# Altium PCB 磁開關電路_20240913.PcbDoc
Units mil, origin at the board's own origin, x right, y up, seen from the top; angles counter-clockwise.
Board outline 905.51 x 1338.58 mil, 4 copper layers (Top Layer, Layer 1, Layer 2, Bottom Layer), stack 23.756 mil thick; 9 components, 11 nets, 30 pads, 3 vias.
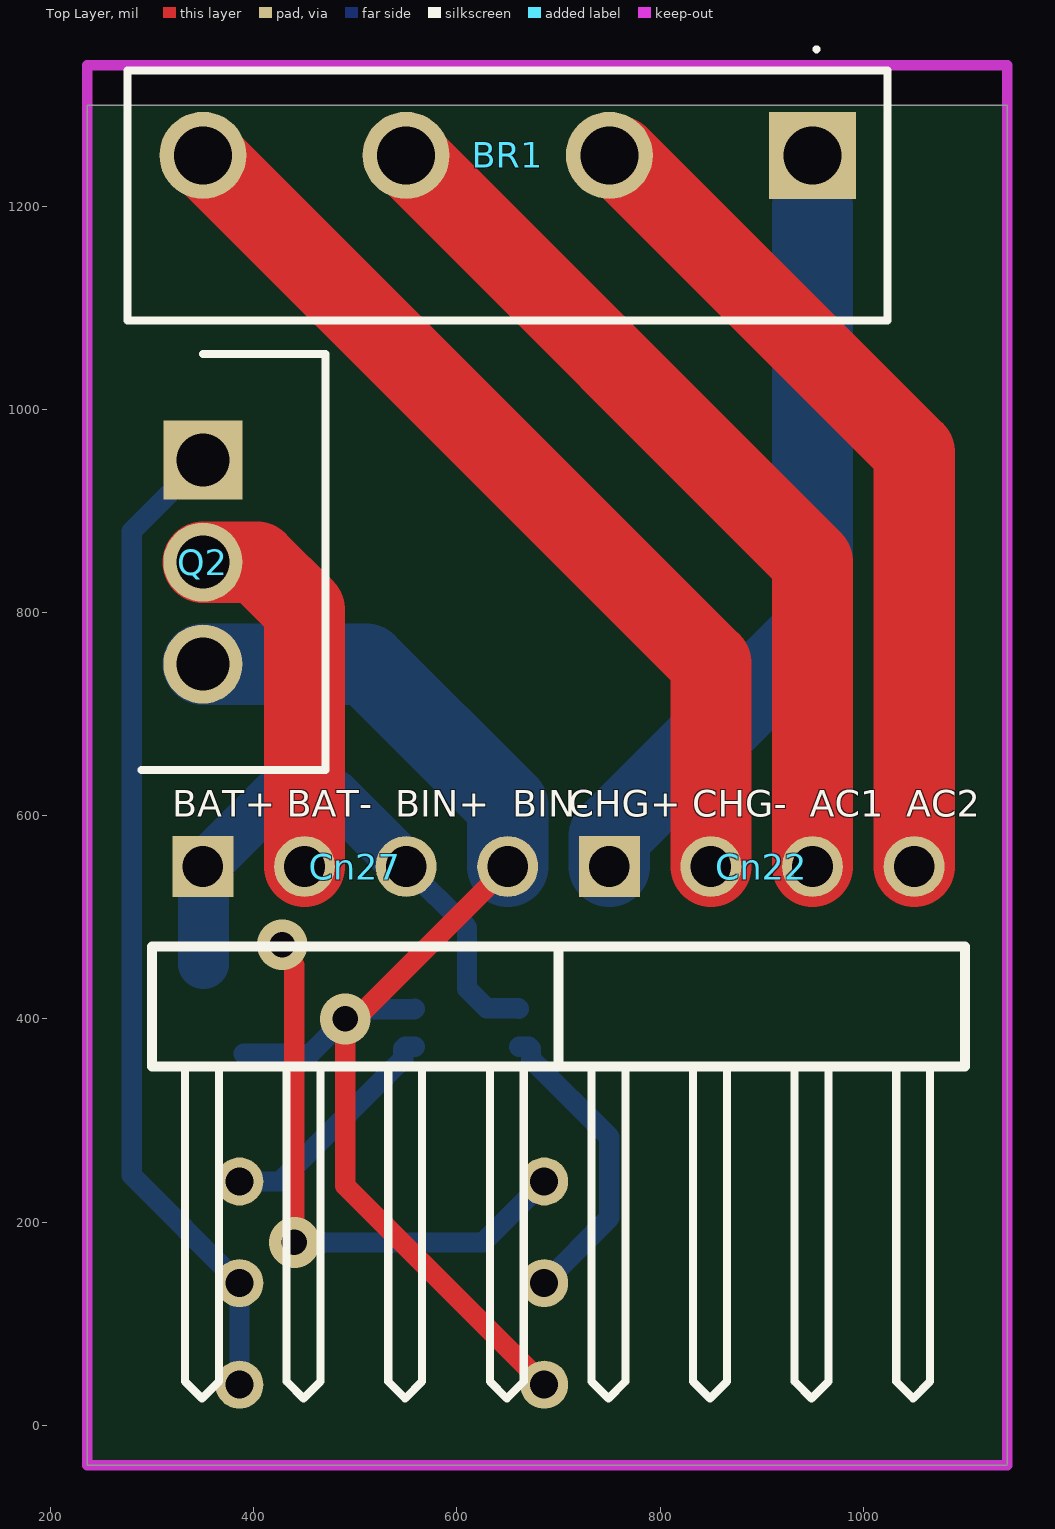
[diagram p0: Top Layer view]
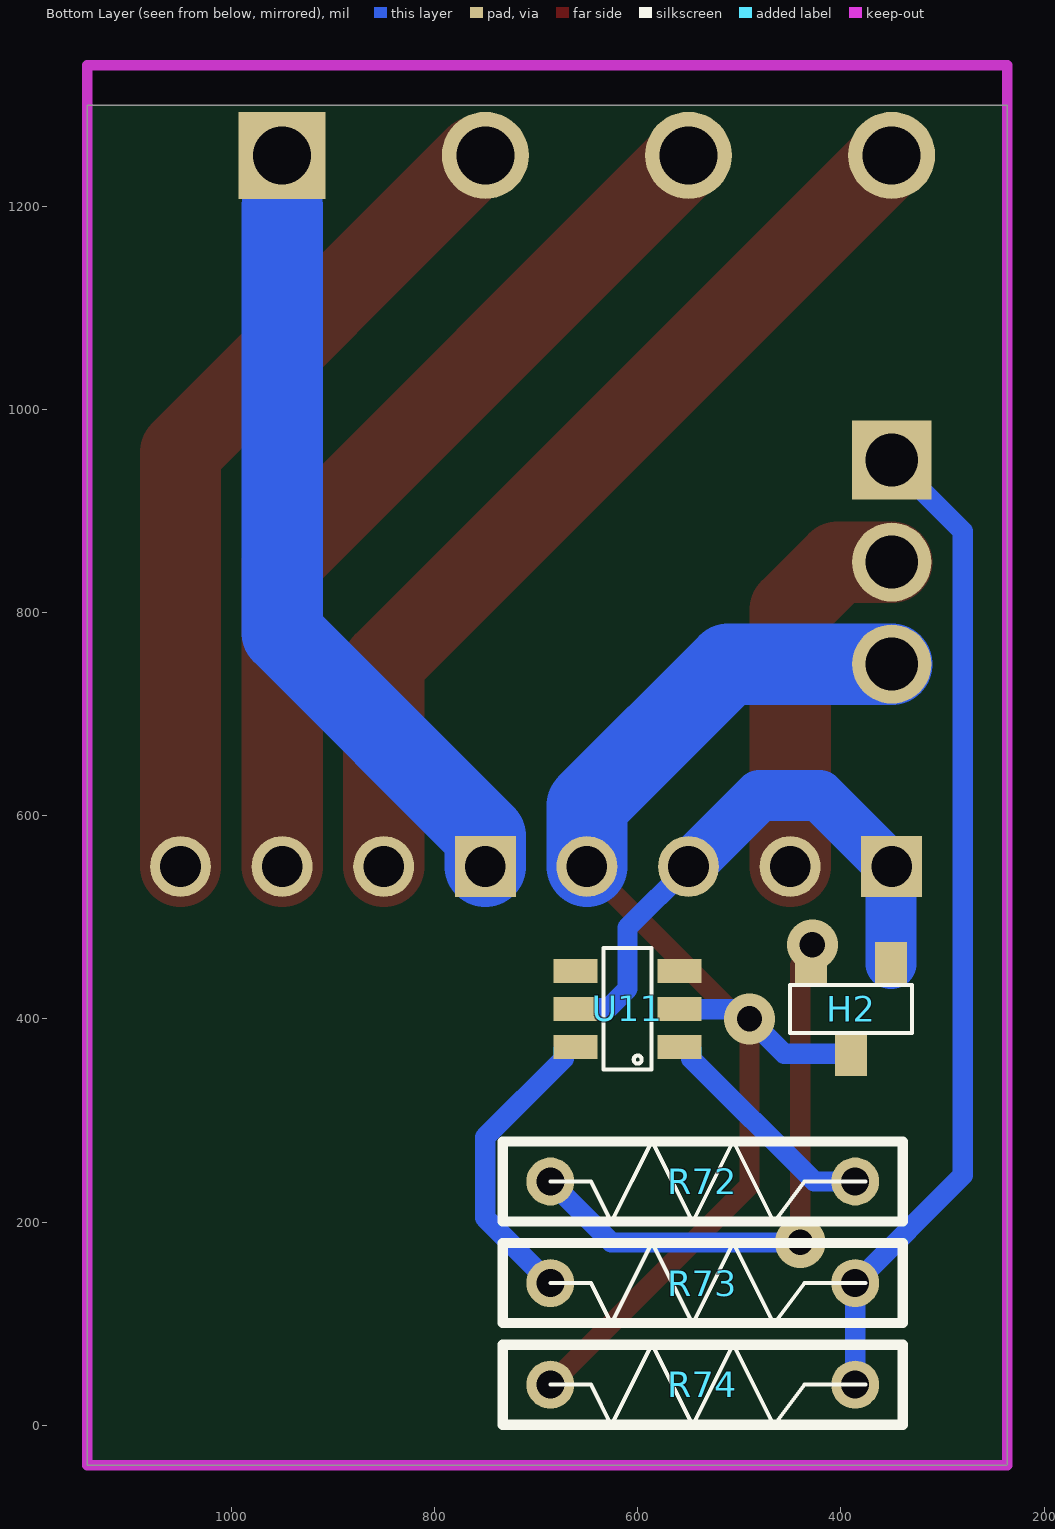
[diagram p1: Bottom Layer view, seen from below]
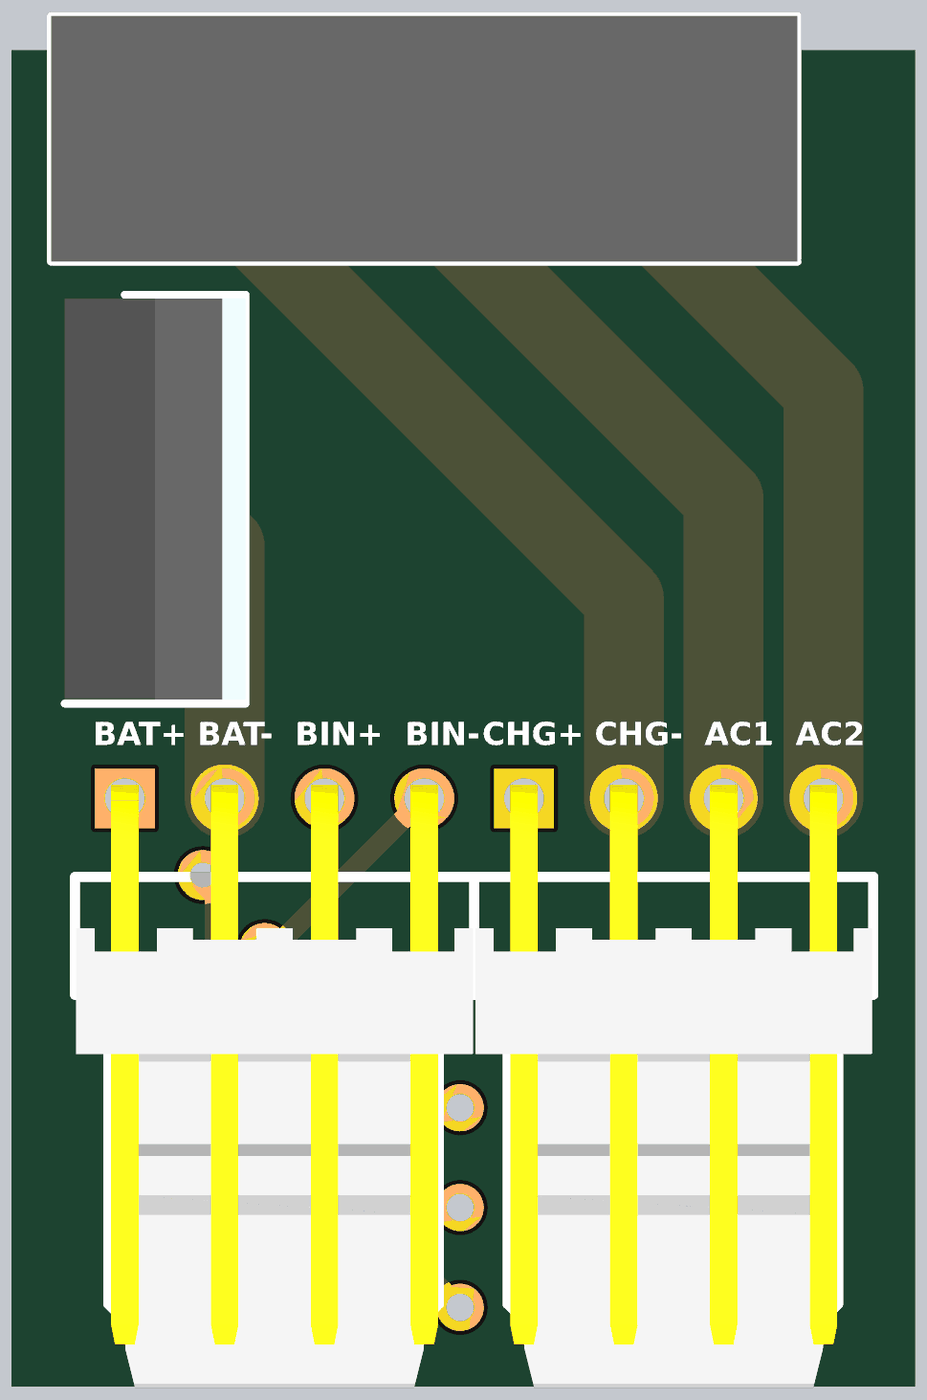
[diagram p2: 3D render of the assembled board from above, using the file's embedded part models]

## Layer stack, top to bottom
Top Solder: solder mask 0.4, Solder Resist, Dk 3.5
Top Layer: signal copper 1.4
Dielectric 2: prepreg 2.8, PP-006, Dk 4.1
Layer 1: signal copper 1.378
Dielectric 1: dielectric 12.6, FR-4, Dk 4.8
Layer 2: signal copper 1.378
Dielectric 3: prepreg 2.8, PP-006, Dk 4.1
Bottom Layer: signal copper 1.4
Bottom Solder: solder mask 0.4, Solder Resist, Dk 3.5

## Board outline
236.22,-39.37 1141.73,-39.37 1141.73,1299.21 236.22,1299.21

## Design rules (kind name [scope] priority, off if disabled: settings)
Clearance [All] p1: gap=15 ignorepadtopadclearanceinfootprint=FALSE except(6: SMDPad-SMDPad SMDPad-THPad SMDPad-Via SMDPad-Fill SMDPad-Poly SMDPad-Region SMDPad-Text SMDPad-Hole)
ComponentClearance [All] p1: gap=0 collisioncheckmode=3 verticalgap=0 showdistances=FALSE
DiffPairsRouting [All] p1: maxlimit=10 minlimit=10 mostfreqgap=10 toplayer_minwidth=6 toplayer_maxwidth=15 toplayer_prefwidth=15 midlayer1_minwidth=6 midlayer1_maxwidth=15 midlayer1_prefwidth=15 midlayer2_minwidth=6 midlayer2_maxwidth=15 midlayer2_prefwidth=15 bottomlayer_minwidth=6 bottomlayer_maxwidth=15 bottomlayer_prefwidth=15 maxuncoupledlength=500
Height [All] p1: minheight=0 maxheight=2000 prefheight=500
PolygonConnect [All] p1: connectstyle=Relief reliefconductorwidth=10 reliefentries=4 polygonreliefangle="45 Angle" airgapwidth=10
RoutingVias [All] p1: holewidth=28 width=50 viastyle="Through Hole" minholewidth=10 minwidth=20 maxholewidth=50 maxwidth=100
SolderMaskExpansion [All] p1: expansion=4 istentingtop=FALSE
Width [All] p1: maxlimit=100 minlimit=6 preferedwidth=10 minimp=50.000000 maximp=50.000000 favimp=50.000000
27 further rules are at their usual default settings.

## Components (designator, comment, footprint, x,y, rotation, side; value= is the part's Value field where it differs from the comment)
BR1 "LX10M" BridgeRectifier_KBL005E451 950,1250 r180 top
Cn22 "KF2510-4" Connector_KF2510-4W 750,550 r90 top locked
Cn27 "KF2510-4" Connector_KF2510-4W 350,550 r90 top locked
H2 "A3212#不用SMT" "SOT 23-3" 390,410 r0 bottom
Q2 "FQD50N06" "TO-220 1>3>2" 350,950 r270 top
R72 "1K" Res_1/4 535.94,239.99 r0 bottom
R73 "1K" Res_1/4 535.94,139.99 r0 bottom
R74 "10K" Res_1/4 535.94,39.99 r0 bottom
U11 "CS2130#不用SMT" "SOT 23-6" 610,410 r0 bottom

## Footprints (in the part's own frame and the unit in brackets; to place one, negate y for a bottom-side part, rotate by r counter-clockwise, add the part's x,y. Pads: shape width x height; smd on the part's side, far side on the other; paste and mask are expansions set on the pad)
BridgeRectifier_KBL005E451 [mm] "KBL005E451"
  rect 2.175x2.175 hole 1.45: 1(0,0)
  round 2.175 hole 1.45: 2(5.08,0) 3(10.16,0) 4(15.24,0)
  silkscreen extent -1.88,-2.7 17.12,4.13, body extent -1.88,-2.12 17.12,4.13, height 16.4
Connector_KF2510-4W [mil] "防呆接頭90°(4P)"
  rect 60x60 hole 40: 1(0,0)
  round 60 hole 40: 2(0,-100) 3(0,-200) 4(0,-300)
  silkscreen extent -524,-350 -79,50, body extent -591,-349 14,49, height 228
Res_1/4 [mm] "1/4W DIP電阻"
  round 1.2 hole 0.7: 1(-3.81,0) 2(3.81,0)
  silkscreen extent -5,-1.02 5,1.02
"SOT 23-3" [mm]
  rect 0.8x1.1 smd: 1(-1,-1.125) 2(1,-1.125) 3(0,1.125)
  silkscreen extent -1.52,-0.6 1.52,0.6, body extent -1.5,-1.25 1.5,1.25, height 1.09
"SOT 23-6" [mm]
  rect 1.1x0.6 smd: 1(-1.3,0.95) 2(-1.3,0) 3(-1.3,-0.95) 4(1.3,-0.95) 5(1.3,0) 6(1.3,0.95)
  silkscreen extent -0.6,-1.52 0.6,1.52, body extent -1.25,-1.5 1.25,1.5, height 1.09
"TO-220 1>3>2" [mm] "TO255P460X1020X2008-3P"
  rect 1.98x1.98 hole 1.32: 1(0,0)
  round 1.98 hole 1.32: 2(5.1,0) 3(2.55,0)
  silkscreen extent -2.65,-1.53 7.75,3.07, body extent -2.55,-1.53 7.65,3.07, height 19.21

## Part data
BR1: library part BridgeRectifier, "橋式整流", ComponentLink1Description=datasheet, ComponentLink1URL=http://www.zowie.com.tw/UserFiles/File/LX10M(2).pdf
Cn22 Cn27: library part Contact(4P), "接線端子"
H2: library part Sensor_Hall, "感測器_霍爾"
Q2: library part MOS-N, "場效電晶體_N"
R72 R73 R74: library part Res, "電阻"
U11: library part CS2130, "單鍵ON/OFF芯片", ComponentLink1Description=datasheet, ComponentLink1URL=http://www.szecm.com/Products/cs2130djkg.html

## Via types
v1: diameter 50, hole 25, Top Layer to Bottom Layer, 3 vias

## Nets (pads, with @x,y where several pads share a name; then routed paths per layer and width w, separated by ;. In a path a pad name is that pad's centre, name@x,y a point inside that pad or via, vN(x,y) a via of type N, cw(c..) or ccw(c..) an arc to the next point about the centre after c; other vN are vias at no path point)
BAT+: Cn27.1 Cn27.3 H2.1 U11.5 | length 558.4
  Bottom Layer w20: Cn27.3 610,490 610,429.76 629.17,410.59 660.59,410.59 U11.5
  Bottom Layer w50: H2.1 350.64,549.36 Cn27.1 355,555 356.01,555 421.01,620 480,620 Cn27.3
BAT-: Cn27.2 Q2.3 | length 372.2
  Top Layer w80: Q2.3 403.14,849.61 450,802.74 Cn27.2
BAT_IN-: Cn27.4 H2.3 Q2.2 R74.2 U11.2 | length 1268.1
  Top Layer w20: Cn27.4 505.74,405.74 495.74,405.74 v1(490,400) 490,235.94 R74.2
  Bottom Layer w20: H2.3 455.71,365.71 v1(490,400) 499.41,409.41 558.23,409.41 U11.2
  Bottom Layer w80: Q2.2 510.79,749.21 650,610 Cn27.4
CHG+: BR1.1 Cn22.1 | length 732.8
  Bottom Layer w80: Cn22.1 750,580 950,780 950,1200
CHG-: BR1.4 Cn22.2 | length 907.1
  Top Layer w80: BR1.4 850,750 Cn22.2
HALL_ON: R72.1 U11.1 | length 233.6
  Bottom Layer w20: R72.1 426.21,239.99 547.17,360.94 547.17,370.79 548.98,372.6 U11.1
IN_L: BR1.2 Cn22.4 | length 828.9
  Top Layer w80: BR1.2 751.08,1248.92 758.95,1248.92 1050,957.87 Cn22.4
IN_N: BR1.3 Cn22.3 | length 865.7
  Top Layer w80: BR1.3 950,850 Cn22.3
NetH2_2: H2.2 R72.2 | length 568.8
  Top Layer w20: v1(428.02,473.08) 428.02,464.96 440,452.98 v1(440,180)
  Bottom Layer w20: v1(440,180) 625.95,180 R72.2
NetQ2_1: Q2.1 R73.1 R74.1 | length 982.9
  Bottom Layer w20: Q2.1 280,880 280,245.94 R73.1 R74.1
POW_EN: R73.2 U11.6 | length 301.7
  Bottom Layer w20: U11.6 671.02,372.6 672.83,370.79 672.83,360.94 750,283.78 750,204.05 R73.2
pads on no net: U11.3 U11.4

## Keep-outs
Keep-Out Layer:
  lines w10: 236.22,-39.37 1141.73,-39.37 1141.73,1338.58 236.22,1338.58 236.22,-39.37

## Silkscreen, mask and mechanical layers (free items; w line width, h text height)
Top Overlay:
  text "BAT+ BAT-  BIN+  BIN-" at 320,590 h45
  text "CHG+ CHG-  AC1  AC2" at 710,590 h45